# KiCad board AMC_FMC_Carrier-PcbDoc.kicad_pcb (continued)
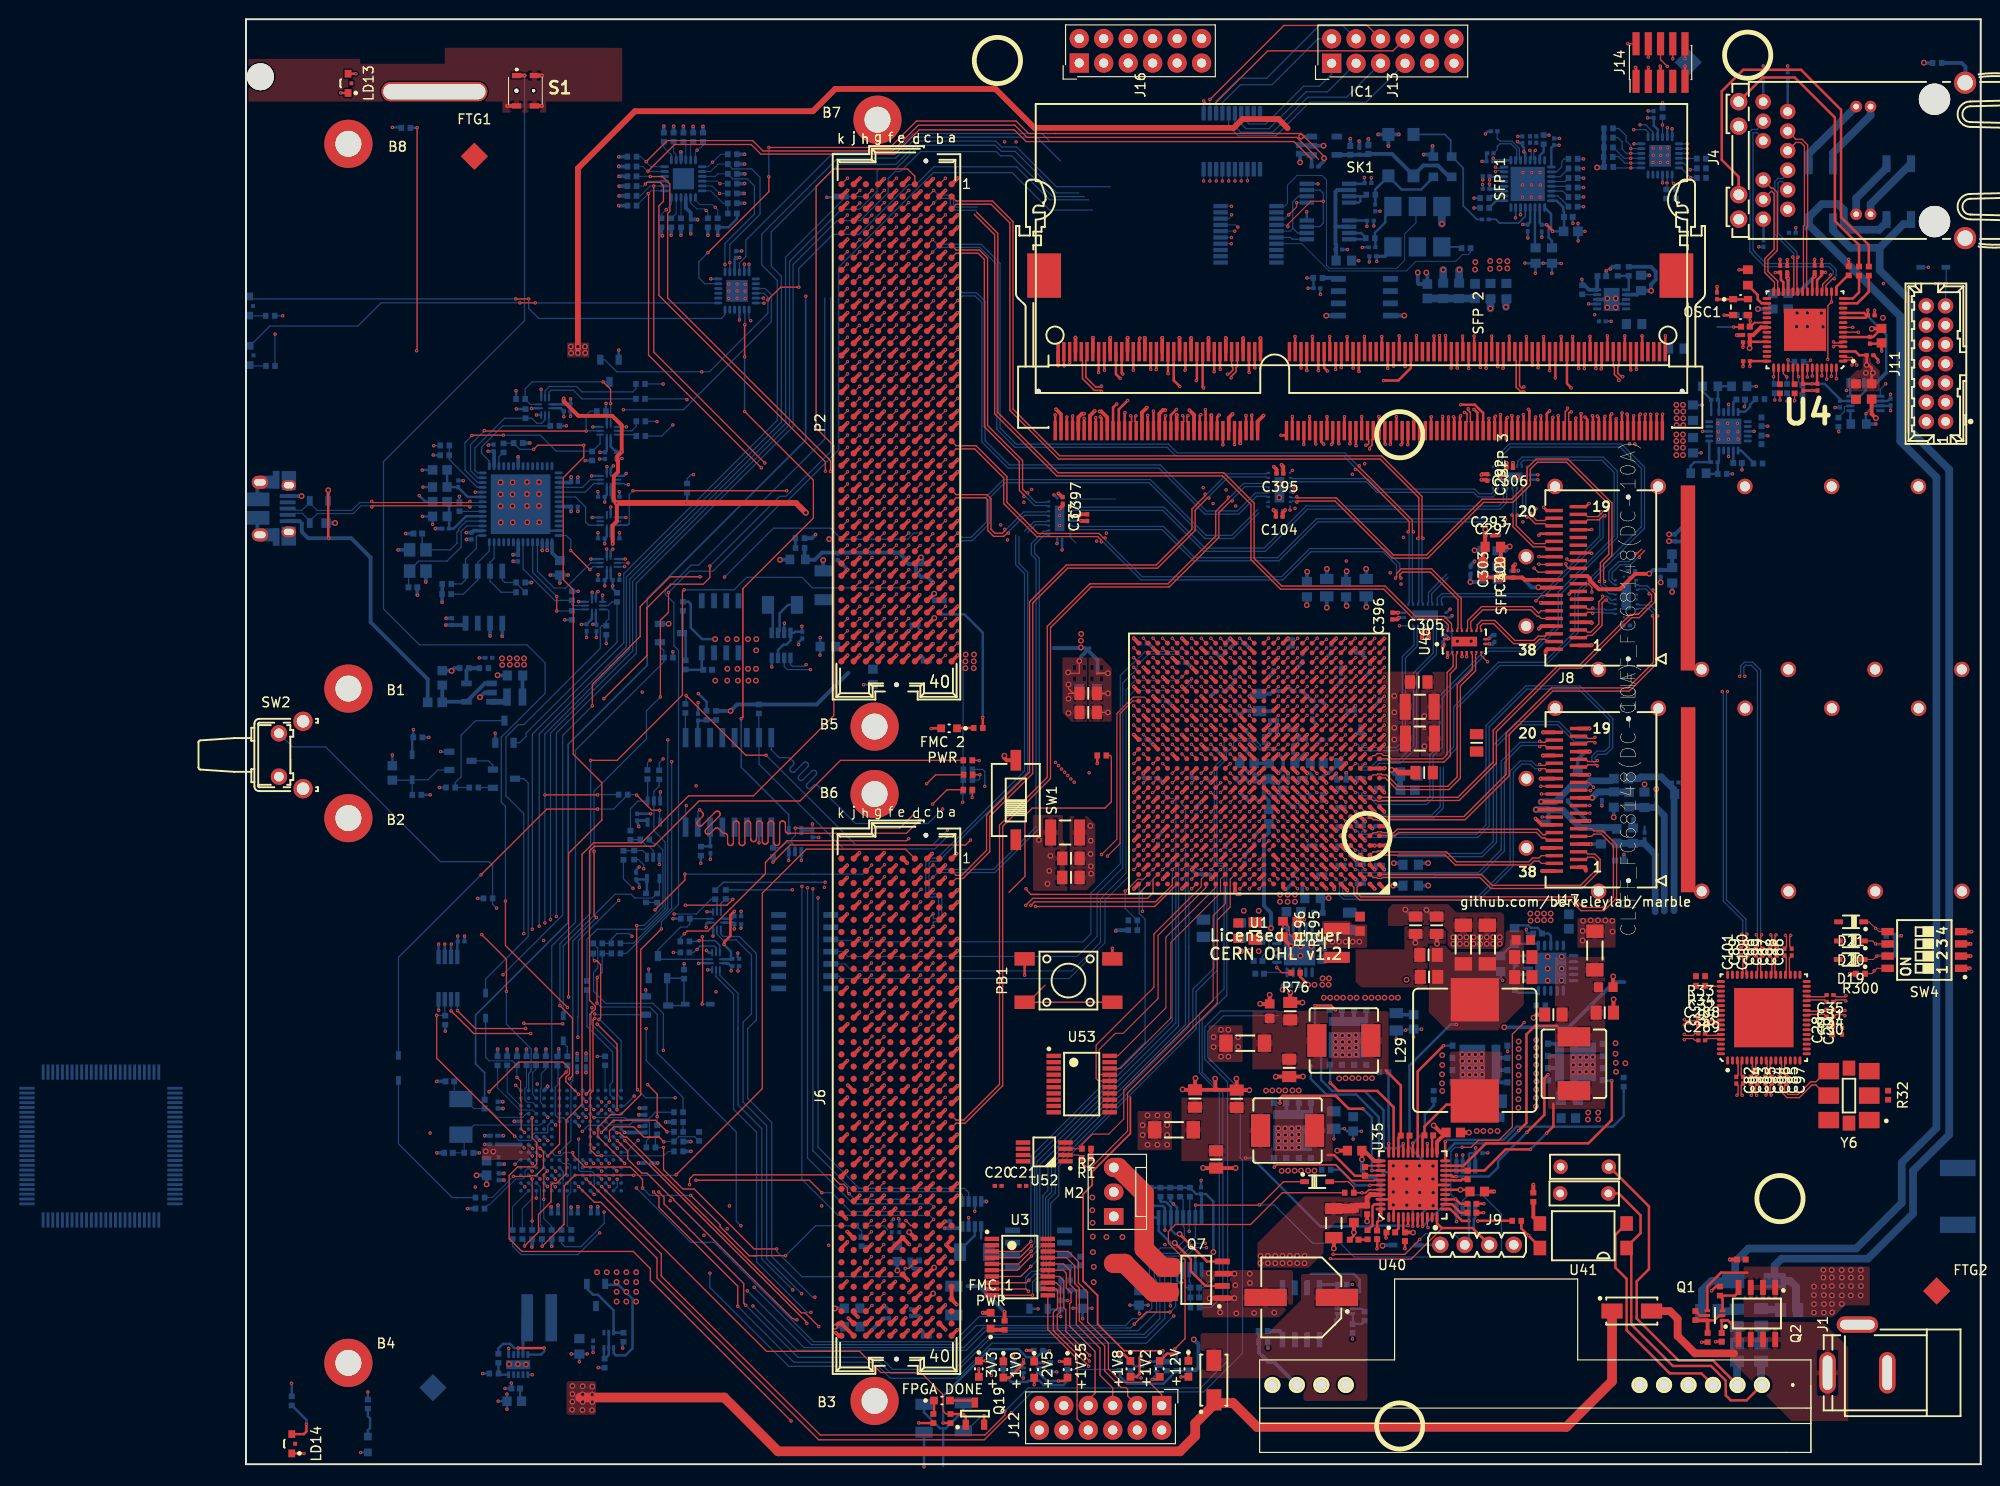
[diagram p0: board, top side]
## Routing (per net, layer and track width the routed paths; a pad name or vN(x,y) marks a point on that pad's centre or on a via; arc(x,y) is an arc through that point) (continued)
/FPGA/FPGA_12_13/Self_FPGA_TCK_T: length 17.8
  Top w0.102: U1.Y26 92,79.23 90.7,77.93 90.7,64.43 v1(89.39,63.12)
/FPGA/FPGA_12_13/Self_FPGA_TDI_T: length 19.4
  Top w0.102: v1(88.77,63.29) 90.37,64.89 90.37,77.94 92.06,79.63 93.22,79.63 U1.Y25
/FPGA/FPGA_12_13/Self_FPGA_TDO_T: length 0.7
  Top w0.11: v1(93.12,85.75) 93.12,85.73 U1.AF25
/FPGA/FPGA_12_13/Self_FPGA_TMS_T: length 0.7
  Top w0.11: v1(94.12,85.75) 94.12,85.73 U1.AF24
/FPGA/FPGA_14_15/CFG_D02: length 48.4
  Top w0.127: v1(81.44,58.01) 81.82,58.39 94.39,58.39 96.12,60.12 96.12,60.73 U1.B22 ; v1(54.68,62.5) 56.46,64.28 74.22,64.28 ; 74.22,64.28 74.39,64.28 ; 74.22,64.28 74.67,64.28 v1(75.18,64.79)
  In9.Cu w0.127: v1(81.44,58.01) 81.44,58.53 v1(75.18,64.79)
  Bottom w0.127: R209.1 v1(54.68,62.5)
/FPGA/FPGA_14_15/CFG_D03: length 63.9
  Top w0.127: v1(53.97,73.6) 51.86,73.6 v1(45.67,79.8) ; U1.A22 94.29,57.9 v1(81.92,57.9)
  In9.Cu w0.127: v1(72.79,65.83) 73.66,64.96 73.66,64.22 80.28,57.6 81.63,57.6 v1(81.92,57.9)
  Bottom w0.127: v1(72.79,65.83) 71.24,64.28 63.29,64.28 v1(53.97,73.6) ; R210.1 45.67,79 v1(45.67,79.8)
/FPGA/FPGA_14_15/CFG_DIN: length 59.7
  Top w0.127: U1.A25 92.54,59.15 82.29,59.15 ; 82.29,59.15 81.53,59.15 ; 82.29,59.15 81.45,59.15 80.94,59.67 v1(80.94,59.75)
  In9.Cu w0.127: 76.29,68.01 77.34,68.01 80.94,64.42 v1(80.94,59.75) ; 76.29,68.01 v1(72.29,68.01) ; 76.29,68.01 76.4,68.01
  Bottom w0.127: U30.8 54.51,74.16 55.32,73.35 56.41,73.35 56.77,72.99 56.81,72.94 56.84,72.88 56.85,72.81 56.85,72.74 56.84,72.68 56.81,72.62 56.77,72.57 56.53,72.33 56.49,72.28 56.46,72.22 56.45,72.16 56.45,72.09 56.46,72.02 56.49,71.96 56.53,71.91 56.59,71.87 56.65,71.84 56.71,71.82 56.78,71.82 56.85,71.84 56.91,71.87 56.96,71.91 57.85,72.8 57.9,72.84 57.96,72.87 58.02,72.88 58.09,72.88 58.16,72.87 58.22,72.84 58.27,72.8 58.31,72.74 58.34,72.68 58.36,72.62 58.36,72.55 58.34,72.49 58.31,72.43 58.27,72.37 57.38,71.49 57.34,71.43 57.31,71.37 57.3,71.31 57.3,71.24 57.31,71.17 57.34,71.11 57.38,71.06 57.44,71.02 57.5,70.99 57.56,70.98 57.63,70.98 57.69,70.99 57.76,71.02 57.81,71.06 58.69,71.95 58.75,71.99 58.81,72.02 58.87,72.03 58.94,72.03 59.01,72.02 59.07,71.99 59.12,71.95 59.16,71.9 59.19,71.84 59.2,71.77 59.2,71.7 59.19,71.64 59.16,71.58 59.12,71.52 58.23,70.64 58.19,70.58 58.16,70.52 58.15,70.46 58.15,70.39 58.16,70.33 58.19,70.27 58.23,70.21 58.28,70.17 58.35,70.14 58.41,70.13 58.48,70.13 58.54,70.14 58.6,70.17 58.66,70.21 58.89,70.44 58.94,70.49 59,70.52 59.07,70.53 59.13,70.53 59.2,70.52 59.26,70.49 59.31,70.44 63.24,66.51 70.79,66.51 v1(72.29,68.01)
/FPGA/FPGA_14_15/CFG_FCS: length 59.6
  Top w0.102: U1.C23 v1(95.12,61.73)
  In9.Cu w0.127: v1(93.02,57.4) 92.84,57.22 79.39,57.22 72.79,63.82 v1(72.79,65.19) 72.79,64.91
  Bottom w0.127: v1(95.12,61.73) 93.02,59.63 v1(93.02,57.4) ; R223.2 53.21,75.46 U30.7 53.24,72.66 62.02,63.87 71.47,63.87 v1(72.79,65.19)
/FPGA/FPGA_14_15/CFG_MOSI: length 85.5
  Top w0.102: U1.B24 94.12,60.73
  Top w0.127: 94.12,60.73 94.12,59.31 93.55,58.74 81.63,58.74 v1(80.9,58.01) ; v1(47.07,67.94) 47.36,67.65 47.41,67.6 47.44,67.54 47.45,67.47 47.45,67.41 47.44,67.34 47.41,67.28 47.36,67.23 46.89,66.75 46.85,66.7 46.82,66.64 46.8,66.57 46.8,66.51 46.82,66.44 46.85,66.38 46.89,66.33 46.94,66.29 47,66.26 47.07,66.24 47.13,66.24 47.2,66.26 47.26,66.29 47.31,66.33 48.69,67.71 48.74,67.75 48.8,67.78 48.87,67.79 48.94,67.79 49,67.78 49.06,67.75 49.11,67.71 49.16,67.65 49.19,67.59 49.2,67.53 49.2,67.46 49.19,67.39 49.16,67.33 49.11,67.28 47.74,65.9 47.69,65.85 47.67,65.79 47.65,65.72 47.65,65.66 47.67,65.59 47.69,65.53 47.74,65.48 47.79,65.44 47.85,65.41 47.91,65.39 47.98,65.39 48.05,65.41 48.11,65.44 48.16,65.48 48.64,65.96 48.69,66 48.75,66.03 48.82,66.04 48.88,66.04 48.95,66.03 49.01,66 49.06,65.96 49.52,65.5 49.67,65.5 49.74,65.49 49.8,65.47 49.86,65.43 49.9,65.38 49.94,65.33 49.96,65.26 49.97,65.2 49.97,64.52 49.98,64.46 50,64.39 50.04,64.34 50.08,64.29 50.14,64.25 50.2,64.23 50.27,64.22 50.34,64.23 50.4,64.25 50.46,64.29 50.5,64.34 50.54,64.39 50.56,64.46 50.57,64.52 50.57,66.47 50.58,66.54 50.6,66.6 50.64,66.66 50.68,66.71 50.74,66.74 50.8,66.76 50.87,66.77 50.94,66.76 51,66.74 51.06,66.71 51.1,66.66 51.14,66.6 51.16,66.54 51.17,66.47 51.17,64.52 51.18,64.46 51.2,64.39 51.24,64.34 51.28,64.29 51.34,64.25 51.4,64.23 51.47,64.22 51.54,64.23 51.6,64.25 51.66,64.29 51.7,64.34 51.74,64.39 51.76,64.46 51.77,64.52 51.77,66.47 51.78,66.54 51.8,66.6 51.84,66.66 51.88,66.71 51.94,66.74 52,66.76 52.07,66.77 52.14,66.76 52.2,66.74 52.26,66.71 52.3,66.66 52.34,66.6 52.36,66.54 52.37,66.47 52.37,64.92 52.38,64.86 52.4,64.79 52.44,64.74 52.48,64.69 52.54,64.65 52.6,64.63 52.67,64.62 52.74,64.63 52.8,64.65 52.86,64.69 52.9,64.74 52.94,64.79 52.96,64.86 52.97,64.92 52.97,66.47 52.98,66.54 53,66.6 53.04,66.66 53.08,66.71 53.14,66.74 53.2,66.76 53.27,66.77 53.34,66.76 53.4,66.74 53.46,66.71 53.5,66.66 53.54,66.6 53.56,66.54 53.57,66.47 53.57,64.67 53.58,64.61 53.6,64.54 53.64,64.49 53.68,64.44 53.74,64.4 53.8,64.38 53.87,64.37 53.94,64.38 54,64.4 54.06,64.44 54.1,64.49 54.14,64.54 54.16,64.61 54.17,64.67 54.17,66.47 54.18,66.54 54.2,66.6 54.24,66.66 54.28,66.71 54.34,66.74 54.4,66.76 54.47,66.77 54.54,66.76 54.6,66.74 54.66,66.71 54.7,66.66 54.74,66.6 54.76,66.54 54.77,66.47 54.77,64.52 54.78,64.46 54.8,64.39 54.84,64.34 54.88,64.29 54.94,64.25 55,64.23 55.07,64.22 55.14,64.23 55.2,64.25 55.26,64.29 55.3,64.34 55.34,64.39 55.36,64.46 55.37,64.52 55.37,66.47 55.38,66.54 55.4,66.6 55.44,66.66 55.48,66.71 55.54,66.74 55.6,66.76 55.67,66.77 55.74,66.76 55.8,66.74 55.86,66.71 55.9,66.66 55.94,66.6 55.96,66.54 55.97,66.47 55.97,65.8 55.98,65.73 56,65.67 56.04,65.61 56.08,65.56 56.14,65.53 56.2,65.5 56.27,65.5 68.53,65.5 69.91,66.88
  In9.Cu w0.127: v1(80.9,58.01) 79.9,59.01 79.72,59.01 74.56,64.17 74.56,64.91 72.61,66.87 v1(69.9,66.87)
  Bottom w0.127: U30.15 46.89,67.76 v1(47.07,67.94)
/FPGA/FPGA_14_15/CFG_PUDC: length 7.7
  Top w0.102: U1.B25 93.12,60.73 92.52,60.73 91.29,59.49 v1(91.23,59.49)
  Bottom w0.102: v1(91.23,59.49) 91.22,59.48 91.22,57.7 92.47,56.46 R221.2 R222.1
/FPGA/FPGA_14_15/CFG_WP: length 20
  Top w0.127: v1(56.99,66.03) 67.84,66.03 69.26,67.45
  Bottom w0.127: 56.65,64.51 56.65,64.92 56.99,65.27 v1(56.99,66.03) ; 56.65,64.51 55.98,64.51 55.47,64 55.13,64 55.12,63.99 R209.2 54.68,65.95 U30.9 ; 56.65,64.51 56.97,64.19 U11.2
/FPGA/FPGA_14_15/EXP_INT_T: length 22.9
  Top w0.102: U53.20 90.46,42.39 95.45,47.37 95.45,54.71 100.62,59.88 U1.A18
  Top w0.11: 100.64,60.21 100.62,60.21
/FPGA/FPGA_14_15/FPGA_INT_T: length 25.8
  Top w0.102: U1.B17 101.11,60.72 101.11,59.31 95.97,54.17 95.97,46.32 90.74,41.09 U53.18
/FPGA/FPGA_14_15/FPGA_XR_GPIO_0_T: length 25.9
  Top w0.102: U1.A19 99.62,59.88 94.64,54.89 94.64,48.34 91.03,44.73 90.22,44.73 88.52,43.03 88.52,40.59 88.67,40.44 U53.17
  Top w0.11: 99.65,60.22 99.62,60.22
/FPGA/FPGA_14_15/I2C_FPGA_SW_RST_T: length 27.4
  Top w0.11: U1.B19 99.12,60.73 99.12,59.95 94.21,55.03 94.21,49.51 88.21,43.51 88.21,40.02 88.45,39.79 U53.16
/FPGA/FPGA_14_15/I2C_SCL: length 40
  Top w0.102: U52.2 86.4,32.09 R1.2
  Top w0.11: R1.2 86.73,31.35 87.16,30.91 87.81,30.91 91.48,34.59 91.48,38.55 100.78,47.86 100.78,56.49 102.12,57.83 102.12,60.73 U1.B16
/FPGA/FPGA_14_15/I2C_SDA: length 36.3
  Top w0.102: U52.3 86.73,32.74 R2.2 86.74,33.17 87.84,34.27 89.52,34.27 91.08,35.83 91.08,38.87 100.35,48.14 100.35,56.94 101.62,58.2 U1.A17
/FPGA/FPGA_33_34/CLK20_VCXO_T: length 52.3
  Top w0.102: v1(108.09,78.69) 107.62,78.23 U1.W11
  In9.Cu w0.102: v1(102.23,126.7) 102.23,121.38 103.8,119.8 103.8,116.74 103.63,116.57 103.63,110.14 105.6,108.17 105.6,97.49 107.48,95.61 107.48,79.55 108.09,78.94 v1(108.09,78.69)
  Bottom w0.102: U42.14 102.23,126.7 v1(102.23,126.7)
/FPGA/FPGA_33_34/VCXO_EN_T: length 58.5
  Top w0.11: 109.61,77.23 v1(110.11,77.73)
  In9.Cu w0.102: v1(110.11,77.73) 109.75,78.09 109.75,87.08 109.29,87.54 109.29,97.49 109.99,98.19 109.99,103.72 108.93,104.79 108.93,108.91 106.75,111.08 106.75,119.9 104.05,122.61 104.05,128.79 v1(102.26,130.58)
  Bottom w0.102: U42.20 102.24,130.6 v1(102.26,130.58)
/FPGA/FPGA_33_34/WR_DAC1_SYNC_T: length 56.6
  Top w0.102: U1.W10 v1(109.09,78.7)
  In9.Cu w0.102: v1(109.09,78.7) 109.45,79.06 109.45,87.05 109.06,87.43 109.06,96.14 107.43,97.78 107.43,99.76 107.66,100 107.66,103.45 107.84,103.63 107.84,103.97 107.72,104.1 107.72,107.08 ; 107.72,107.08 107.72,109.48 106.32,110.87 106.32,119.83 103.72,122.43 103.72,128.26 v1(102.27,129.71) ; 107.72,107.08 107.72,107.19
  Bottom w0.102: U42.18 101.97,129.3 102.27,129.6 v1(102.27,129.71)
/FPGA/FPGA_33_34/WR_DAC2_SYNC_T: length 52.1
  Top w0.11: 107.64,79.2 v1(108.14,79.7)
  In9.Cu w0.102: 105.99,106.86 105.99,109.38 105.23,110.14 105.23,115.81 104.93,116.12 104.93,119.47 102.64,121.76 102.64,126.97 v1(102.26,127.35) ; 105.99,106.86 105.99,97.7 107.74,95.95 107.74,80.1 v1(108.14,79.7) ; 105.99,106.86 105.99,106.99
  Bottom w0.102: v1(102.26,127.35) 102.25,127.35 U42.15
/FPGA/FPGA_33_34/WR_DAC_DIN_T: length 54.2
  Top w0.11: 108.6,79.21 v1(109.1,79.71)
  In9.Cu w0.102: 108.78,87.3 108.79,87.3 ; 108.78,87.3 108.78,80.04 v1(109.1,79.71) ; 108.78,87.3 108.78,95.97 106.94,97.81 106.94,99.21 106.64,99.51 106.64,102.67 106.99,103.02 106.99,109.46 105.94,110.52 105.94,119.54 103.29,122.19 103.29,128.06 v1(102.92,128.43)
  Bottom w0.102: v1(102.92,128.43) 102.69,128.65 U42.17
/FPGA/FPGA_33_34/WR_DAC_SCLK_T: length 55
  Top w0.102: v1(108.11,77.73) 107.62,77.24 U1.V11
  In9.Cu w0.102: v1(102.59,127.99) 102.97,127.61 102.97,121.92 105.6,119.29 105.6,110.24 106.28,109.55 106.28,97.96 108.46,95.79 108.46,87.26 108.45,87.26 108.45,85.74 108.47,85.72 108.47,79.54 108.44,79.52 108.44,78.06 v1(108.11,77.73)
  Bottom w0.102: U42.16 102.58,128 v1(102.59,127.99)
/FPGA/FPGA_DONE: length 129.9
  Top w0.102: U1.J7 v1(112.12,67.73)
  Top w0.127: R162.2 72.66,5.21 72.34,5.54 72.34,7.2 70.03,9.52 65.86,9.52 63.66,11.71 54.01,11.71 v1(36.9,28.82)
  Top w0.254: R162.2 74.44,5.21 74.69,4.97 Q19.1
  In2.Cu w0.127: v1(46.71,70.42) 46.71,55.06 46.58,54.93 46.58,54.27 47.29,53.56 47.29,52.97 48.77,51.5 v1(48.77,49.04)
  GND5.Cu w0.127: v1(36.9,28.82) 37.92,27.8 43.1,27.8 43.25,27.96 43.25,32.35 41.93,33.67 41.93,37.41 48.77,44.24 v1(48.77,49.04)
  In9.Cu w0.102: 90.29,67.41 90.33,67.38 102.29,67.38 102.58,67.66 102.58,67.71 102.95,68.08 111.77,68.08 v1(112.12,67.73)
  In9.Cu w0.127: v1(46.71,70.42) 48.98,72.7
  Bottom w0.127: v1(36.9,28.82) 36.53,29.19 36.53,29.19
/FPGA/FPGA_MGT/GBX_MUX/MGT_MUX_PD: length 12.4
  Top w0.102: R300.1 168.69,50.92 169.24,51.48 SW4.8
  Top w0.254: v1(124.66,83.76) 124.67,83.77 U46.2
  Bottom w0.102: 90.24,100.19 86.23,100.19 85.97,99.94 U44.2
  Bottom w0.127: U48.2 124.35,87.04 125.13,86.26 125.13,84.23 v1(124.66,83.76) ; U45.2 108.33,102.91 v1(108.58,103.17)
  vias: v1(168.94,51.22)
/FPGA/FPGA_MGT/GBX_MUX/MGT_RX_6_FMC_N: length 50.7
  Bottom w0.13: U50.16 130.89,101.18 130.8,101.1 130.8,99.8 130.14,99.14 110.15,99.14 105.78,94.77 99.37,94.77 95.12,99.02 85.78,99.02 85.7,98.94 U44.4
/FPGA/FPGA_MGT/GBX_MUX/MGT_RX_6_FMC_P: length 50.2
  Bottom w0.13: U44.3 85.7,99.44 85.78,99.35 95.26,99.35 99.51,95.1 105.64,95.1 110.01,99.47 130,99.47 130.47,99.94 130.47,101.1 130.39,101.18 U50.17
/FPGA/FPGA_MGT/GBX_MUX/MGT_RX_7_FMC_N: length 22.9
  Bottom w0.13: U50.18 129.89,101.18 129.8,101.1 129.8,100.83 129.38,100.41 127.84,100.41 127.36,100.89 117.35,100.89 116.26,101.98 108.59,101.98 108.5,101.9 U45.4
/FPGA/FPGA_MGT/GBX_MUX/MGT_RX_7_FMC_P: length 22.3
  Bottom w0.13: U45.3 108.5,102.4 108.59,102.31 116.4,102.31 117.49,101.22 127.5,101.22 127.98,100.74 129.24,100.74 129.47,100.97 129.47,101.1 129.39,101.18 U50.19
/FPGA/FPGA_MGT/GBX_MUX/MGT_TX_6_FMC_N: length 52.8
  Top w0.13: 144.79,94.98 144.34,94.52 v1(144.19,94.52)
  Bottom w0.13: U49.18 142.03,91.36 141.88,91.36 141.41,91.82 141.41,92.67 142.45,93.71 143.52,93.71 144.19,94.37 v1(144.19,94.52) ; U44.8 85.7,96.94 85.78,97.02 95.06,97.02 98.3,93.78 107.18,93.78 111.22,97.82 129.08,97.82
/FPGA/FPGA_MGT/GBX_MUX/MGT_TX_6_FMC_P: length 52.1
  Top w0.13: v1(144.57,94.14) 144.57,94.29 145.12,94.84
  Bottom w0.13: v1(144.57,94.14) 144.42,94.14 143.66,93.38 142.59,93.38 141.74,92.53 141.74,91.96 142.02,91.69 142.03,91.69 U49.19 ; 129.08,98.15 111.08,98.15 107.04,94.11 98.44,94.11 95.2,97.35 85.78,97.35 85.7,97.44 U44.7
/FPGA/FPGA_MGT/GBX_MUX/MGT_TX_7_FMC_N: length 53.4
  Top w0.13: v1(109.04,99.87) 109.15,99.98 113,99.98 118.93,94.06 122.62,94.06 128.41,99.85 131.46,99.85 133.26,101.65 133.26,103.27 134,104.02 137.03,104.02 141.41,99.64 141.41,94.46 140.53,93.59 140.53,91.76 v1(140.42,91.65)
  Bottom w0.13: v1(109.04,99.87) 108.93,99.98 108.59,99.98 108.5,99.9 U45.8 ; v1(140.42,91.65) 140.53,91.54 140.53,91.26 141.44,90.36 141.86,90.36 141.95,90.27 U49.16
/FPGA/FPGA_MGT/GBX_MUX/MGT_TX_7_FMC_P: length 53.4
  Top w0.13: v1(109.04,100.42) 109.15,100.31 113.14,100.31 119.06,94.39 122.48,94.39 128.28,100.18 131.32,100.18 132.93,101.79 132.93,103.41 133.86,104.35 137.17,104.35 141.73,99.78 141.73,94.32 140.86,93.45 140.86,91.76 v1(140.97,91.65)
  Bottom w0.13: U45.7 108.5,100.4 108.59,100.31 108.93,100.31 v1(109.04,100.42) ; U49.17 141.95,90.77 141.86,90.69 141.58,90.69 140.86,91.4 140.86,91.54 v1(140.97,91.65)
/FPGA/FPGA_MGT/GBX_MUX/MUX1_SEL: length 4.8
  Top w0.102: SW4.7 v1(169.22,52.75) 168.86,52.39 D19.1
  Bottom w0.102: 86.13,95.62 85.53,96.22 U44.9 ; R297.1 169.37,52.9 v1(169.22,52.75)
/FPGA/FPGA_MGT/GBX_MUX/MUX2_SEL: length 4.2
  Top w0.102: SW4.6 v1(169.09,54.02) 168.79,54.32 D20.1
  Bottom w0.102: v1(169.09,54.02) 169.23,53.88 R298.1
  Bottom w0.127: U45.9 108.33,99.05 v1(108.33,99.05)
/FPGA/FPGA_MGT/GBX_MUX/MUX3_SEL: length 6.4
  Top w0.102: D21.1 168.41,56.3 v1(169.09,55.62) 169.42,55.29 SW4.5
  Top w0.127: v1(128.83,83.3) 128.17,83.96 U46.9
  Bottom w0.102: v1(169.09,55.62) 169.45,55.62 170.2,54.88 R299.1
  Bottom w0.127: U48.9 119.84,87.04 119.83,87.04
  vias: v1(119.69,87.04)
/FPGA/FPGA_MGT/MGT_CLK_0_N: length 51.3
  Top w0.127: 113.59,63.26 v1(114.09,62.76)
  Top w0.13: v1(149.25,44.62) 149.36,44.51 150.17,44.51 150.36,44.7 C33.1
  In9.Cu w0.1: v1(149.25,44.62) 149.12,44.49 147.42,44.49 145.56,46.35 145.56,54.94 142.81,57.69 137.29,57.69 136.56,58.43 130.56,58.43 127.64,61.35 113.98,61.35 113.74,61.59 113.74,62.01 113.73,62.01 113.73,62.41 v1(114.09,62.76)
/FPGA/FPGA_MGT/MGT_CLK_0_P: length 51.8
  Top w0.127: 112.59,63.26 v1(113.09,62.76)
  Top w0.13: v1(149.25,44.07) 149.36,44.18 150.17,44.18 150.36,43.99 C289.1
  In9.Cu w0.1: v1(149.25,44.07) 149.12,44.2 147.3,44.2 145.27,46.23 145.27,54.82 142.69,57.4 137.17,57.4 136.44,58.14 130.44,58.14 127.52,61.06 113.86,61.06 113.44,61.47 113.44,61.57 113.45,61.57 113.45,61.89 113.44,61.89 113.44,62.41 v1(113.09,62.76)
/FPGA/FPGA_MGT/MGT_CLK_1_N: length 55.7
  Top w0.127: 113.6,65.23 v1(114.1,64.73)
  Top w0.13: v1(149.25,46.14) 149.36,46.03 150.5,46.03 C32.1
  In9.Cu w0.1: v1(114.1,64.73) 113.75,64.38 113.75,63.61 113.98,63.38 114.37,63.38 127.9,63.38 131.4,59.88 137.43,59.88 140.07,62.52 144.08,62.52 147.31,59.28 147.31,47.09 148.39,46.01 149.12,46.01 v1(149.25,46.14)
/FPGA/FPGA_MGT/MGT_CLK_1_P: length 56.2
  Top w0.127: 112.6,65.23 v1(113.1,64.73)
  Top w0.13: C288.1 150.5,45.7 149.36,45.7 v1(149.25,45.59)
  In9.Cu w0.1: v1(113.1,64.73) 113.46,64.38 113.46,63.49 113.86,63.09 113.93,63.09 113.93,63.09 114.24,63.09 114.25,63.09 127.78,63.09 131.28,59.59 137.55,59.59 140.19,62.23 143.96,62.23 147.02,59.16 147.02,46.97 148.27,45.72 149.12,45.72 v1(149.25,45.59)
/FPGA/FPGA_MGT/MGT_CLK_2_N: length 69.3
  Top w0.127: U1.H5 v1(114.12,66.73)
  Top w0.13: C31.1 164.78,48.01 164.96,48.19 165.9,48.19 v1(166.01,48.08)
  In9.Cu w0.1: v1(166.01,48.08) 166.14,48.21 166.41,48.21 167.1,48.9 167.1,56.06 157.77,65.39 113.98,65.39 113.76,65.6 113.76,66.38 v1(114.12,66.73)
/FPGA/FPGA_MGT/MGT_CLK_2_P: length 68.8
  Top w0.127: U1.H6 v1(113.12,66.73)
  Top w0.13: C35.1 164.79,48.71 164.98,48.52 165.9,48.52 v1(166.01,48.63)
  In9.Cu w0.1: v1(113.12,66.73) 113.47,66.38 113.47,65.48 113.86,65.1 157.65,65.1 166.81,55.94 166.81,49.02 166.29,48.5 166.14,48.5 v1(166.01,48.63)
/FPGA/FPGA_MGT/MGT_CLK_3_N: length 75.2
  Top w0.127: U1.K5 v1(114.12,68.73)
  Top w0.13: C30.1 164.77,46.48 164.96,46.67 165.8,46.67 v1(165.91,46.56)
  In9.Cu w0.1: v1(165.91,46.56) 166.04,46.69 168.01,46.69 168.44,47.12 168.44,57.33 159.44,66.33 132.21,66.33 131.17,67.37 113.98,67.37 113.76,67.58 113.76,68.38 v1(114.12,68.73)
/FPGA/FPGA_MGT/MGT_CLK_3_P: length 74.7
  Top w0.127: U1.K6 v1(113.12,68.73)
  Top w0.13: v1(165.91,47.11) 165.8,47 164.95,47 164.76,47.19 C34.1
  In9.Cu w0.1: v1(113.12,68.73) 113.47,68.38 113.47,67.46 113.86,67.08 131.05,67.08 132.09,66.04 159.32,66.04 168.15,57.21 168.15,47.24 167.89,46.98 166.04,46.98 v1(165.91,47.11)
/FPGA/FPGA_MGT/MGT_CLK_Crosspoint/EXT0_CLK_C_N: length 1.8
  Top w0.13: U2.3 154.82,41.82 154.82,41.26 154.82,41.26 154.82,40.39 C82.1
/FPGA/FPGA_MGT/MGT_CLK_Crosspoint/EXT0_CLK_C_P: length 1.8
  Top w0.13: C94.1 155.15,40.39 155.15,41.12 155.15,41.12 155.15,41.82 U2.4
/FPGA/FPGA_MGT/MGT_CLK_Crosspoint/EXT0_CLK_N: length 1.3
  Top w0.13: v1(154.71,38.29) 154.82,38.4 154.82,39.33 C82.2
/FPGA/FPGA_MGT/MGT_CLK_Crosspoint/EXT0_CLK_P: length 1.3
  Top w0.13: C94.2 155.15,39.33 155.15,38.4 v1(155.26,38.29)
/FPGA/FPGA_MGT/MGT_CLK_Crosspoint/EXT1_CLK_C_N: length 1.8
  Top w0.13: C83.1 156.3,40.4 156.3,41.31 156.32,41.34 156.32,41.82 U2.6
/FPGA/FPGA_MGT/MGT_CLK_Crosspoint/EXT1_CLK_C_P: length 1.8
  Top w0.13: U2.7 156.65,41.82 156.65,41.2 156.63,41.18 156.63,40.4 C95.1
/FPGA/FPGA_MGT/MGT_CLK_Crosspoint/EXT1_CLK_N: length 1.3
  Top w0.13: v1(156.19,38.29) 156.3,38.4 156.3,39.32 C83.2
/FPGA/FPGA_MGT/MGT_CLK_Crosspoint/EXT1_CLK_P: length 1.3
  Top w0.13: v1(156.74,38.29) 156.63,38.4 156.63,39.32 C95.2
/FPGA/FPGA_MGT/MGT_CLK_Crosspoint/FMC1_GBTCLK0_M2C_C_N: length 1.9
  Top w0.13: 160.27,52.67 160.15,52.55 160.15,50.89 U2.35
/FPGA/FPGA_MGT/MGT_CLK_Crosspoint/FMC1_GBTCLK0_M2C_C_P: length 1.9
  Top w0.13: 159.76,52.67 159.82,52.61 159.82,50.89 U2.36
/FPGA/FPGA_MGT/MGT_CLK_Crosspoint/FMC1_GBTCLK1_M2C_C_N: length 2.1
  Top w0.13: C87.1 158.84,52.76 158.65,52.57 158.65,51.91 158.65,51.9 158.65,50.89 U2.38
/FPGA/FPGA_MGT/MGT_CLK_Crosspoint/FMC1_GBTCLK1_M2C_C_P: length 2.1
  Top w0.13: U2.39 158.32,50.89 158.32,51.77 158.32,51.77 158.32,52.59 158.13,52.78 C99.1
/FPGA/FPGA_MGT/MGT_CLK_Crosspoint/FMC2_GBTCLK0_M2C_C_N: length 1.9
  Top w0.13: C88.1 157.17,52.63 157.17,51.07 157.17,51.07 ; U2.41 157.15,50.89
/FPGA/FPGA_MGT/MGT_CLK_Crosspoint/FMC2_GBTCLK0_M2C_C_P: length 2
  Top w0.13: C100.1 156.84,52.63 156.84,51.47 156.84,51.47 156.84,51.15 156.79,51.1 ; U2.42 156.82,50.89
/FPGA/FPGA_MGT/MGT_CLK_Crosspoint/FMC2_GBTCLK1_M2C_C_N: length 2.1
  Top w0.13: C89.1 155.64,52.65 155.64,52.58 155.65,52.57 155.65,50.89 U2.44
/FPGA/FPGA_MGT/MGT_CLK_Crosspoint/FMC2_GBTCLK1_M2C_C_P: length 2.1
  Top w0.13: C101.1 155.31,52.65 155.31,52.44 155.32,52.43 155.32,50.89 U2.45
/FPGA/FPGA_MGT/MGT_CLK_Crosspoint/FPGA_REF_CLK0_C_N: length 1.8
  Top w0.13: C84.1 157.82,40.4 157.82,40.67 157.82,40.67 157.82,41.82 U2.9
/FPGA/FPGA_MGT/MGT_CLK_Crosspoint/FPGA_REF_CLK0_C_P: length 1.8
  Top w0.13: U2.10 158.15,41.82 158.15,40.81 158.15,40.8 158.15,40.4 C96.1
/FPGA/FPGA_MGT/MGT_CLK_Crosspoint/MGT_CLK_0_C_N: length 1.8
  Top w0.13: C33.2 151.59,44.51 152.24,44.51 152.25,44.52 152.95,44.52 U2.60
/FPGA/FPGA_MGT/MGT_CLK_Crosspoint/MGT_CLK_0_C_P: length 1.8
  Top w0.13: C289.2 151.59,44.18 152.37,44.18 152.38,44.19 152.95,44.19 U2.61
/FPGA/FPGA_MGT/MGT_CLK_Crosspoint/MGT_CLK_1_C_N: length 1.8
  Top w0.13: C32.2 151.58,46.03 151.93,46.03 151.94,46.02 152.95,46.02 U2.57
/FPGA/FPGA_MGT/MGT_CLK_Crosspoint/MGT_CLK_1_C_P: length 1.8
  Top w0.13: U2.58 152.95,45.69 151.8,45.69 151.79,45.7 151.58,45.7 C288.2
/FPGA/FPGA_MGT/MGT_CLK_Crosspoint/MGT_CLK_2_C_N: length 2.1
  Top w0.13: U2.28 162.02,48.19 163.81,48.19 163.98,48.02
/FPGA/FPGA_MGT/MGT_CLK_Crosspoint/MGT_CLK_2_C_P: length 2.1
  Top w0.13: U2.29 162.02,48.52 163.82,48.52 163.98,48.68
/FPGA/FPGA_MGT/MGT_CLK_Crosspoint/MGT_CLK_3_C_N: length 2.1
  Top w0.13: U2.25 162.02,46.69 163.78,46.69 163.95,46.52
/FPGA/FPGA_MGT/MGT_CLK_Crosspoint/MGT_CLK_3_C_P: length 2.1
  Top w0.13: U2.26 162.02,47.02 163.84,47.02 163.95,47.13
/FPGA/FPGA_MGT/MGT_CLK_Crosspoint/SI570_CLK_C_N: length 1.8
  Top w0.13: U2.12 159.33,41.82 159.33,40.5 159.13,40.3 C85.1
/FPGA/FPGA_MGT/MGT_CLK_Crosspoint/SI570_CLK_C_P: length 1.8
  Top w0.13: U2.13 159.65,41.82 159.65,40.51 159.85,40.32 C97.1
/FPGA/FPGA_MGT/MGT_RX_4_N: length 18.3
  Top w0.127: U1.R3 v1(116.12,74.73)
  Bottom w0.13: v1(116.12,74.73) 115.85,74.73 115.78,74.66 115.78,74.51 115.89,74.4 119.38,74.4 119.98,75 119.98,83.83 121.19,85.05 121.19,86.78 121.11,86.87 U48.8
/FPGA/FPGA_MGT/MGT_RX_4_P: length 19.4
  Top w0.127: U1.R4 v1(115.12,74.73)
  Bottom w0.13: U48.7 121.61,86.87 121.53,86.78 121.53,84.91 120.31,83.69 120.31,74.86 119.51,74.07 115.76,74.07 115.45,74.37 115.45,74.66 115.38,74.73 v1(115.12,74.73)
/FPGA/FPGA_MGT/MGT_RX_5_N: length 20.9
  Top w0.127: U1.N3 v1(116.12,72.73)
  Bottom w0.13: 116.11,72.72 115.84,72.72 115.77,72.66 115.77,72.5 115.88,72.39 116.75,72.39 117.45,73.1 119.65,73.1 121.16,74.6 121.16,82.17 123.19,84.21 123.19,86.78 123.11,86.87 U48.4
/FPGA/FPGA_MGT/MGT_RX_5_P: length 22
  Top w0.127: U1.N4 v1(115.12,72.73)
  Bottom w0.13: U48.3 123.61,86.87 123.53,86.78 123.53,84.07 121.48,82.03 121.48,74.46 119.79,72.77 117.59,72.77 116.89,72.06 115.74,72.06 115.44,72.36 115.44,72.65 115.37,72.72 115.11,72.72
/FPGA/FPGA_MGT/MGT_RX_6_N: length 63.9
  Top w0.127: U1.L3 v1(116.12,69.73)
  Bottom w0.13: 116.12,69.73 115.85,69.73 115.78,69.66 115.78,69.5 115.89,69.4 116.87,69.4 117.44,68.82 122.38,68.82 122.84,69.29 122.84,73.65 123.79,74.6 123.79,79.71 128.82,84.74 133.66,84.74 136.16,87.23 136.16,90.53 141.97,96.34 141.97,102.95 140.7,104.22 132.55,104.22 132.3,103.97 132.3,103.81 132.39,103.73 U50.8
/FPGA/FPGA_MGT/MGT_RX_6_P: length 66.1
  Top w0.127: U1.L4 v1(115.12,69.73)
  Bottom w0.13: U50.7 131.89,103.73 131.97,103.81 131.97,104.11 132.42,104.55 140.83,104.55 142.29,103.09 142.29,96.2 136.48,90.39 136.48,87.09 133.8,84.41 128.96,84.41 124.12,79.57 124.12,74.46 123.17,73.51 123.17,69.15 122.52,68.49 117.31,68.49 116.73,69.07 115.76,69.07 115.45,69.37 115.45,69.65 115.38,69.73 115.12,69.73
/FPGA/FPGA_MGT/MGT_RX_7_N: length 71.7
  Top w0.127: U1.J3 v1(116.12,67.73)
  Bottom w0.13: 116.12,67.73 115.85,67.73 115.78,67.67 115.78,67.51 115.89,67.4 123.06,67.4 123.91,68.26 123.91,72.35 ; U50.4 130.39,103.73 130.3,103.81 130.3,104.66 131.23,105.59 142.57,105.59 144.78,103.37 144.78,97.31 137.9,90.42 137.9,86.46 134.68,83.25 129.95,83.25 125.31,78.61 125.31,74.48 124.48,73.64
/FPGA/FPGA_MGT/MGT_RX_7_P: length 74
  Top w0.127: U1.J4 v1(115.12,67.73)
  Bottom w0.13: 124.81,73.5 125.64,74.34 125.64,78.47 130.09,82.92 134.82,82.92 138.22,86.32 138.22,90.28 145.11,97.17 145.11,103.51 142.7,105.92 131.09,105.92 129.97,104.8 129.97,103.81 129.89,103.73 U50.3 ; 115.12,67.73 115.38,67.73 115.45,67.66 115.45,67.37 115.76,67.07 123.2,67.07 124.25,68.12 124.25,72.35
/FPGA/FPGA_MGT/MGT_TX_4_N: length 18.8
  Top w0.13: U1.P1 118.4,73.23 118.73,72.9 124.31,72.9 124.95,73.54 124.95,82.05 125.59,82.68 125.59,84.04 125.67,84.13 U46.4
/FPGA/FPGA_MGT/MGT_TX_4_P: length 19.6
  Top w0.13: U46.3 125.17,84.13 125.25,84.04 125.25,82.82 124.62,82.19 124.62,73.68 124.17,73.23 118.87,73.23 118.53,73.56 118.04,73.56 117.83,73.77 117.37,73.77 117.16,73.56 116.95,73.56 U1.P2
/FPGA/FPGA_MGT/MGT_TX_5_N: length 23.1
  Top w0.13: U46.8 127.67,84.13 127.59,84.04 127.59,82.36 126,80.78 126,71.21 124.83,70.04 119.41,70.04 118.22,71.23 U1.M1
/FPGA/FPGA_MGT/MGT_TX_5_P: length 23.8
  Top w0.13: U46.7 127.17,84.13 127.25,84.04 127.25,82.5 125.67,80.92 125.67,71.35 124.69,70.37 119.55,70.37 118.35,71.56 117.91,71.56 117.82,71.65 117.42,71.65 117.33,71.56 116.95,71.56 U1.M2
/FPGA/FPGA_MGT/MGT_TX_6_N: length 41.1
  Top w0.13: v1(145.6,90.36) 145.75,90.36 145.84,90.26 145.84,89.62 144.44,88.22 143.64,88.22 138.39,82.97 136.19,82.97 129.41,76.19 129.41,72.9 125.75,69.23 U1.K1
  Bottom w0.13: v1(145.6,90.36) 145.6,90.51 145.25,90.86 144.58,90.86 144.49,90.77 U49.4
/FPGA/FPGA_MGT/MGT_TX_6_P: length 43.4
  Top w0.13: v1(145.98,90.74) 145.98,90.59 146.17,90.4 146.17,89.48 144.58,87.89 143.78,87.89 138.53,82.64 136.33,82.64 129.75,76.05 129.75,72.76 125.88,68.9 117.91,68.9 117.82,68.81 117.42,68.81 117.33,68.9 116.95,68.9 U1.K2
  Bottom w0.13: U49.3 144.49,91.27 144.58,91.19 145.39,91.19 145.83,90.74 v1(145.98,90.74)
/FPGA/FPGA_MGT/MGT_TX_7_N: length 44.7
  Top w0.13: U1.H1 126.37,67.23 130.75,71.61 130.75,75.88 135.45,80.59 143.39,80.59 146.04,83.24 146.04,87.95 v1(145.93,88.06)
  Bottom w0.13: U49.8 144.49,88.77 144.58,88.86 145.54,88.86 146.04,88.35 146.04,88.17 v1(145.93,88.06)
/FPGA/FPGA_MGT/MGT_TX_7_P: length 47
  Top w0.13: U1.H2 116.95,66.9 117.33,66.9 117.42,66.81 117.82,66.81 117.91,66.9 126.5,66.9 131.07,71.47 131.07,75.74 135.59,80.26 143.53,80.26 146.37,83.1 146.37,87.95 v1(146.48,88.06)
  Bottom w0.13: U49.7 144.49,89.27 144.58,89.19 145.68,89.19 146.37,88.49 146.37,88.17 v1(146.48,88.06)